# Altium PCB BMYY_PCB_RULER-Pink.PcbDoc (part 4 of 4)
Units mm, origin at the board's own origin, x right, y up, seen from the top; angles counter-clockwise.
Board outline 310.85 x 30 mm, 2 copper layers (Top, Bottom), stack 1.569 mm thick; 49 components, 0 nets, 2684 pads, 0 vias.
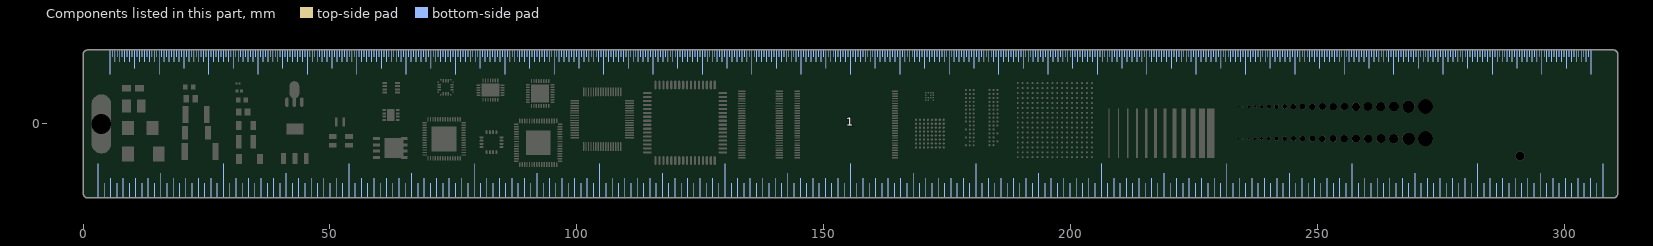
[diagram p4: the components of this part, seen from the top]

## Silkscreen, mask and mechanical layers (free items; w line width, h text height) (continued)
Solder Mask Bottom:
  drawing of 759 lines, arcs and shapes, not listed
  text "mm" at 309.742,10.212 h1.27
  text "300" at 5.142,10 h3
  text "290" at 15.142,10 h3
  text "280" at 25.142,10 h3
  text "270" at 35.142,10 h3
  text "260" at 45.142,10 h3
  text "250" at 55.142,10 h3
  text "240" at 65.142,10 h3
  text "230" at 75.142,10 h3
  text "220" at 85.142,10 h3
  text "210" at 95.142,10 h3
  text "200" at 105.142,10 h3
  text "190" at 115.142,10 h3
  text "180" at 125.142,10 h3
  text "170" at 135.142,10 h3
  text "160" at 145.142,10 h3
  text "150" at 155.142,10 h3
  text "140" at 165.142,10 h3
  text "130" at 175.142,10 h3
  text "120" at 185.142,10 h3
  text "110" at 195.142,10 h3
  text "100" at 205.142,10 h3
  text "90" at 215.142,10 h3
  text "80" at 225.142,10 h3
  text "70" at 235.142,10 h3
  text "60" at 245.142,10 h3
  text "50" at 255.142,10 h3
  text "40" at 265.142,10 h3
  text "30" at 275.142,10 h3
  text "20" at 285.142,10 h3
  text "10" at 295.142,10 h3
  text "0" at 305.142,10 h3
  text "30 ℃" at 136.099,5.566 h1.6
  text "20 ℃" at 145.95,5.566 h1.6
  text "10 ℃" at 156.193,5.566 h1.6
  text "Temp Rise" at 167.7,5.566 h1.6
  text "30 ℃" at 179.549,5.566 h1.6
  text "20 ℃" at 189.4,5.566 h1.6
  text "10 ℃" at 199.643,5.566 h1.6
  text "Temp Rise" at 211.15,5.566 h1.6
  text "Uint Conversion" at 227.349,5.566 h1.6
  text "0.2" at 233.67,5.4 h1.14 r270
  text "0.3" at 234.631,5.4 h1.14 r270
  text "0.5" at 235.742,5.4 h1.14 r270
  text "0.6" at 237.003,5.4 h1.14 r270
  text "0.7" at 238.365,5.4 h1.14 r270
  text "0.8" at 239.826,5.4 h1.14 r270
  text "0.9" at 241.387,5.4 h1.14 r270
  text "1.0" at 243.048,5.4 h1.14 r270
  text "1.1" at 244.809,5.4 h1.14 r270
  text "1.2" at 246.671,5.4 h1.14 r270
  text "1.3" at 248.632,5.4 h1.14 r270
  text "1.4" at 250.693,5.4 h1.14 r270
  text "1.5" at 252.854,5.4 h1.14 r270
  text "1.6" at 255.115,5.4 h1.14 r270
  text "1.7" at 257.477,5.4 h1.14 r270
  text "1.8" at 259.938,5.4 h1.14 r270
  text "1.9" at 262.499,5.4 h1.14 r270
  text "2.0" at 265.16,5.399 h1.14 r270
  text "2.5" at 268.121,5.399 h1.14 r270
  text "3.0" at 271.583,5.4 h1.14 r270
  text "mm" at 273.824,5.401 h1.52 r270
  text "80" at 289.607,4.845 h1.14 r10
  text "90" at 291.697,4.814 h1.63
  text "100" at 293.765,4.591 h1.14 r350
  text "70" at 287.658,4.431 h1.14 r20
  text "110" at 295.703,3.915 h1.14 r340
  text "60" at 285.811,3.684 h1.14 r30
  text "Copper" at 166.9,3.537 h1.6
  text "Copper" at 210.35,3.537 h1.6
  text "1mm = 39.4mil" at 227.31,3.479 h1.6
  text "2oz" at 132.655,3.391 h1.6
  text "1oz" at 135.864,3.391 h1.6
  text "0.5oz" at 139.872,3.391 h1.6
  text "2oz" at 142.652,3.391 h1.6
  text "1oz" at 145.861,3.391 h1.6
  text "0.5oz" at 149.869,3.391 h1.6
  text "2oz" at 152.649,3.391 h1.6
  text "1oz" at 155.857,3.391 h1.6
  text "0.5oz" at 159.866,3.391 h1.6
  text "2oz" at 176.105,3.391 h1.6
  text "1oz" at 179.314,3.391 h1.6
  text "0.5oz" at 183.322,3.391 h1.6
  text "2oz" at 186.102,3.391 h1.6
  text "1oz" at 189.311,3.391 h1.6
  text "0.5oz" at 193.319,3.391 h1.6
  text "2oz" at 196.099,3.391 h1.6
  text "1oz" at 199.307,3.391 h1.6
  text "0.5oz" at 203.316,3.391 h1.6
  text "120" at 297.392,2.976 h1.14 r330
  text "50" at 284.121,2.628 h1.14 r40
  text "mm" at 162.95,1.9 h1.6
  text "mil" at 167.05,1.9 h1.6
  text "mm" at 206.4,1.9 h1.6
  text "mil" at 210.5,1.9 h1.6
  text "1inch = 1000mil" at 227.31,1.907 h1.6
  text "Maximum Current Amps" at 152.589,1.875 h1.6
  text "Maximum Current Amps" at 196.039,1.875 h1.6
  text "130" at 298.94,1.722 h1.14 r320
  text "40" at 282.641,1.295 h1.14 r50
  text "7.3" at 132.473,0.318 h1.6
  text "2.6" at 139.048,0.318 h1.6
  text "6.0" at 142.473,0.318 h1.6
  text "3.6" at 145.7,0.318 h1.6
  text "2.0" at 149.048,0.318 h1.6
  text "4.0" at 152.47,0.318 h1.6
  text "2.6" at 155.698,0.318 h1.6
  text "1.5" at 159.046,0.318 h1.6
  text "50" at 166.59,0.318 h1.6
  text "1.5" at 179.15,0.318 h1.6
  text "0.7" at 182.496,0.318 h1.6
  text "1.6" at 185.923,0.318 h1.6
  text "0.6" at 192.496,0.318 h1.6
  text "1.0" at 199.146,0.318 h1.6
  text "0.5" at 202.496,0.318 h1.6
  text "0.254" at 207.3,0.318 h1.6
  text "10" at 210.09,0.318 h1.6
  text "1inch = 25.4mm" at 227.31,0.334 h1.6
  text "4.4" at 135.7,0.3 h1.6
  text "1.27" at 163.393,0.3 h1.6
  text "2.2" at 175.925,0.3 h1.6
  text "1.2" at 189.15,0.3 h1.6
  text "1.4" at 195.92,0.3 h1.6
  text "140" at 300.247,0.218 h1.14 r310
  text "30" at 281.414,-0.275 h1.14 r60
  text "8" at 233.625,-0.9 h1.14 r270
  text "12" at 234.574,-0.9 h1.14 r270
  text "16" at 235.698,-0.9 h1.14 r270
  text "20" at 236.959,-0.901 h1.14 r270
  text "24" at 238.307,-0.901 h1.14 r270
  text "28" at 239.781,-0.901 h1.14 r270
  text "32" at 241.343,-0.9 h1.14 r270
  text "36" at 243.004,-0.9 h1.14 r270
  text "40" at 244.765,-0.9 h1.14 r270
  text "44" at 246.613,-0.9 h1.14 r270
  text "48" at 248.587,-0.9 h1.14 r270
  text "52" at 250.649,-0.9 h1.14 r270
  text "56" at 252.81,-0.9 h1.14 r270
  text "60" at 255.071,-0.9 h1.14 r270
  text "64" at 257.432,-0.9 h1.14 r270
  text "68" at 259.893,-0.9 h1.14 r270
  text "72" at 262.442,-0.9 h1.14 r270
  text "76" at 265.116,-0.9 h1.14 r270
  text "80" at 268.077,-0.9 h1.14 r270
  text "84" at 271.538,-0.9 h1.14 r270
  text "mil" at 273.824,-0.899 h1.52 r270
  text "1mil = 0.0254mm" at 227.31,-1.238 h1.6
  text "10.0" at 132.981,-1.245 h1.6
  text "6.0" at 135.7,-1.245 h1.6
  text "3.5" at 139.046,-1.245 h1.6
  text "7.8" at 142.473,-1.245 h1.6
  text "4.5" at 145.7,-1.245 h1.6
  text "2.8" at 149.048,-1.245 h1.6
  text "5.7" at 152.47,-1.245 h1.6
  text "3.5" at 155.696,-1.245 h1.6
  text "2.0" at 159.048,-1.245 h1.6
  text "1.905" at 163.85,-1.245 h1.6
  text "75" at 166.59,-1.245 h1.6
  text "3.0" at 175.923,-1.245 h1.6
  text "1.6" at 179.15,-1.245 h1.6
  text "1.0" at 182.496,-1.245 h1.6
  text "2.4" at 185.925,-1.262 h1.6
  text "1.3" at 189.15,-1.245 h1.6
  text "0.8" at 192.496,-1.245 h1.6
  text "1.6" at 195.92,-1.245 h1.6
  text "1.2" at 199.146,-1.262 h1.6
  text "0.6" at 202.496,-1.245 h1.6
  text "0.381" at 207.3,-1.245 h1.6
  text "15" at 210.09,-1.245 h1.6
  text "150" at 301.273,-1.489 h1.14 r300
  text "20" at 280.402,-2.218 h1.14 r70
  text "12.5" at 132.981,-2.807 h1.6
  text "7.5" at 135.7,-2.807 h1.6
  text "4.3" at 139.046,-2.807 h1.6
  text "9.9" at 142.473,-2.807 h1.6
  text "6.0" at 145.7,-2.807 h1.6
  text "3.5" at 149.046,-2.807 h1.6
  text "6.9" at 152.47,-2.807 h1.6
  text "2.6" at 159.048,-2.807 h1.6
  text "2.54" at 163.394,-2.807 h1.6
  text "100" at 166.971,-2.807 h1.6
  text "3.6" at 175.923,-2.807 h1.6
  text "3.0" at 185.923,-2.807 h1.6
  text "1.0" at 192.496,-2.807 h1.6
  text "1.3" at 199.146,-2.807 h1.6
  text "0.7" at 202.496,-2.807 h1.6
  text "0.508" at 207.3,-2.807 h1.6
  text "20" at 210.092,-2.807 h1.6
  text "1oz = 0.0356mm" at 227.31,-2.81 h1.6
  text "4.2" at 155.696,-2.825 h1.6
  text "2.4" at 179.151,-2.825 h1.6
  text "1.2" at 182.496,-2.825 h1.6
  text "1.7" at 189.15,-2.825 h1.6
  text "2.1" at 195.922,-2.825 h1.6
  text "160" at 301.987,-3.349 h1.14 r290
  text "width" at 167.966,-3.8 h1.6 r270
  text "width" at 211.416,-3.8 h1.6 r270
  text "10" at 279.82,-4.124 h1.14 r80
  text "20.5" at 132.983,-4.37 h1.6
  text "13.0" at 136.03,-4.37 h1.6
  text "7.5" at 139.046,-4.37 h1.6
  text "11.0" at 142.956,-4.37 h1.6
  text "10.0" at 145.979,-4.37 h1.6
  text "6.0" at 149.046,-4.37 h1.6
  text "11.5" at 152.902,-4.37 h1.6
  text "7.0" at 155.696,-4.37 h1.6
  text "4.2" at 159.046,-4.387 h1.6
  text "5.08" at 163.393,-4.37 h1.6
  text "200" at 166.972,-4.37 h1.6
  text "4.0" at 175.923,-4.37 h1.6
  text "2.8" at 179.151,-4.37 h1.6
  text "1.5" at 182.496,-4.37 h1.6
  text "3.3" at 185.923,-4.37 h1.6
  text "2.2" at 189.151,-4.387 h1.6
  text "1.2" at 192.496,-4.387 h1.6
  text "2.5" at 195.922,-4.37 h1.6
  text "1.7" at 199.146,-4.387 h1.6
  text "0.9" at 202.496,-4.37 h1.6
  text "0.635" at 207.3,-4.37 h1.6
  text "25" at 210.092,-4.37 h1.6
  text "2oz = 0.0712mm" at 227.312,-4.383 h1.6
  text "UP主：北冥有鱼qzs" at 51.396,-5.186 h4.17
  text "2021.09.23" at 20,-5.291 h2.65
  text "170" at 302.367,-5.305 h1.14 r280
  text "B" at 68.074,-5.544 h15
  text "24.5" at 132.983,-5.932 h1.6
  text "15.0" at 136.03,-5.932 h1.6
  text "9.0" at 139.046,-5.932 h1.6
  text "20.0" at 142.958,-5.932 h1.6
  text "12.3" at 145.979,-5.932 h1.6
  text "12.3" at 152.902,-5.932 h1.6
  text "8.3" at 155.696,-5.932 h1.6
  text "5.0" at 159.046,-5.932 h1.6
  text "6.35" at 163.393,-5.932 h1.6
  text "250" at 166.972,-5.932 h1.6
  text "5.0" at 175.923,-5.932 h1.6
  text "3.2" at 179.15,-5.932 h1.6
  text "4.0" at 185.923,-5.932 h1.6
  text "2.5" at 189.151,-5.932 h1.6
  text "3.0" at 195.92,-5.932 h1.6
  text "1.9" at 199.146,-5.932 h1.6
  text "0.762" at 207.3,-5.932 h1.6
  text "30" at 210.09,-5.932 h1.6
  text "7.2" at 149.046,-5.95 h1.6
  text "1.7" at 182.496,-5.95 h1.6
  text "1.4" at 192.496,-5.95 h1.6
  text "1.1" at 202.496,-5.95 h1.6
  text "F = 9 x C ÷ 5 + 32" at 227.31,-5.967 h1.6
  text "0" at 279.6,-6.261 h1.14 r90
  text "180" at 302.4,-7.2 h1.14 r270
  text "0" at 3.342,-8.05 h3 r180
  text "1" at 28.742,-8.05 h3 r180
  text "2" at 54.142,-8.05 h3 r180
  text "3" at 79.542,-8.05 h3 r180
  text "4" at 104.942,-8.05 h3 r180
  text "5" at 130.342,-8.05 h3 r180
  text "6" at 155.742,-8.05 h3 r180
  text "7" at 181.092,-8.05 h3 r180
  text "8" at 206.492,-8.05 h3 r180
  text "9" at 231.892,-8.05 h3 r180
  text "10" at 257.292,-8.05 h3 r180
  text "11" at 282.692,-8.05 h3 r180
  text "12" at 308.092,-8.05 h3 r180
  text "Inch" at 6.942,-8.145 h1.27 r180
Mechanical 1:
  lines w0.01: 280,-6.5 cw(c291,-6.5) 302,-6.5 300,-6.5 ccw(c291,-6.5) 282,-6.5 280,-6.5 ; 286,-6.5 cw(c291,-6.5) 296,-6.5 294,-6.5 ccw(c291,-6.5) 288,-6.5 286,-6.5
  lines w0.1: 1,-15 309.85,-15 ccw(c309.85,-14) 310.85,-14 310.85,14 ccw(c309.85,14) 309.85,15 1,15 ccw(c1,14) 0,14 0,-14 ccw(c1,-14) 1,-15

## Text inside footprints (layer, text, board x,y; h text height)
Designator28: Bottom "+" at 85.695,-6.435 h2; Bottom "-" at 85.495,-4.417 h2; Bottom "BUFFER" at 87.145,-1.048 h0.76; Solder Mask Bottom "+" at 85.695,-6.435 h2; Solder Mask Bottom "-" at 85.495,-4.417 h2; Solder Mask Bottom "BUFFER" at 87.145,-1.048 h0.76
Designator29: Bottom "+" at 96.696,-6.419 h1.63; Bottom "-" at 96.496,-4.348 h1.63; Bottom "R2" at 95.748,-3.148 h0.76; Bottom "R1" at 100.348,-3.148 h0.76; Bottom "GAIN=-(R2/R1)" at 108.348,-5.348 h0.76; Bottom "INVERTING" at 108.348,-3.148 h0.76; Solder Mask Bottom "+" at 96.696,-6.419 h1.63; Solder Mask Bottom "-" at 96.496,-4.348 h1.63; Solder Mask Bottom "R2" at 95.748,-3.148 h0.76; Solder Mask Bottom "R1" at 100.348,-3.148 h0.76; Solder Mask Bottom "GAIN=-(R2/R1)" at 108.348,-5.348 h0.76; Solder Mask Bottom "INVERTING" at 108.348,-3.148 h0.76
Designator30: Bottom "GAIN=1+(R2/R1)" at 108.348,4.352 h0.76; Bottom "R2" at 95.848,2.952 h0.76; Bottom "R1" at 99.948,2.752 h0.76; Bottom "NON-INVERTING" at 108.348,6.552 h0.76; Bottom "-" at 96.498,5.602 h1.63; Bottom "+" at 96.698,7.531 h1.63; Solder Mask Bottom "+" at 96.698,7.531 h1.63; Solder Mask Bottom "-" at 96.498,5.602 h1.63; Solder Mask Bottom "R2" at 95.848,2.952 h0.76; Solder Mask Bottom "R1" at 99.948,2.752 h0.76; Solder Mask Bottom "GAIN=1+(R2/R1)" at 108.348,4.352 h0.76; Solder Mask Bottom "NON-INVERTING" at 108.348,6.552 h0.76
Designator62: Top "+" at 53.821,0.357 h1; Top "-" at 49.621,0.423 h1; Solder Mask Top "+" at 53.821,0.357 h1; Solder Mask Top "-" at 49.621,0.423 h1
Designator64: Top "1.2mm" at 229.052,3.819 h2 r90; Top "1.2mm" at 229.052,3.819 h2 r90; Top "1.1mm" at 227.24,3.819 h2 r90; Top "1.1mm" at 227.24,3.819 h2 r90; Top "1.0mm" at 225.406,3.819 h2 r90; Top "1.0mm" at 225.406,3.819 h2 r90; Top "0.9mm" at 223.519,3.819 h2 r90; Top "0.9mm" at 223.519,3.819 h2 r90; Top "0.8mm" at 221.632,3.819 h2 r90; Top "0.8mm" at 221.632,3.819 h2 r90; Top "0.7mm" at 219.745,3.819 h2 r90; Top "0.7mm" at 219.745,3.819 h2 r90; Top "0.6mm" at 217.858,3.819 h2 r90; Top "0.6mm" at 217.858,3.819 h2 r90; Top "0.5mm" at 215.971,3.819 h2 r90; Top "0.5mm" at 215.971,3.819 h2 r90; Top "0.4mm" at 214.085,3.819 h2 r90; Top "0.4mm" at 214.085,3.819 h2 r90; Top "0.3mm" at 212.198,3.819 h2 r90; Top "0.3mm" at 212.198,3.819 h2 r90; Top "0.2mm" at 210.311,3.819 h2 r90; Top "0.2mm" at 210.311,3.819 h2 r90; Top "0.1mm" at 208.424,3.819 h2 r90; Top "0.1mm" at 208.424,3.819 h2 r90; Solder Mask Top "1.2mm" at 229.052,3.819 h2 r90; Solder Mask Top "1.1mm" at 227.24,3.819 h2 r90; Solder Mask Top "1.0mm" at 225.406,3.819 h2 r90; Solder Mask Top "0.9mm" at 223.519,3.819 h2 r90; Solder Mask Top "0.8mm" at 221.632,3.819 h2 r90; Solder Mask Top "0.7mm" at 219.745,3.819 h2 r90; Solder Mask Top "0.6mm" at 217.858,3.819 h2 r90; Solder Mask Top "0.5mm" at 215.971,3.819 h2 r90; Solder Mask Top "0.4mm" at 214.085,3.819 h2 r90; Solder Mask Top "0.3mm" at 212.198,3.819 h2 r90; Solder Mask Top "0.2mm" at 210.311,3.819 h2 r90; Solder Mask Top "0.1mm" at 208.424,3.819 h2 r90
Designator67: Bottom "-" at 75.7,4.4 h0.86; Bottom "+" at 87.5,4.3 h0.86; Bottom "Anode  Cathode" at 86.992,6 h0.86; Solder Mask Bottom "-" at 75.7,4.4 h0.86; Solder Mask Bottom "+" at 87.5,4.3 h0.86; Solder Mask Bottom "Anode  Cathode" at 86.992,6 h0.86
Designator69: Bottom "NPN" at 125.459,-6.7 h0.86; Bottom "B" at 125.459,-3.2 h0.86; Bottom "C" at 121.359,-1.4 h0.86; Bottom "E" at 121.359,-6.7 h0.86; Bottom "NPN" at 125.459,-6.7 h0.86; Bottom "B" at 125.459,-3.2 h0.86; Bottom "C" at 121.359,-1.4 h0.86; Bottom "E" at 121.359,-6.7 h0.86; Solder Mask Bottom "NPN" at 125.459,-6.7 h0.86; Solder Mask Bottom "B" at 125.459,-3.2 h0.86; Solder Mask Bottom "C" at 121.359,-1.4 h0.86; Solder Mask Bottom "E" at 121.359,-6.7 h0.86
Designator70: Bottom "P-CH" at 117.4,2.126 h0.86; Bottom "P-CH" at 117.4,2.126 h0.86; Bottom "+" at 113.9,8 h0.86; Bottom "S" at 112.4,8 h0.86; Bottom "G" at 117.4,5 h0.86; Bottom "+" at 113.9,8 h0.86; Bottom "S" at 112.4,8 h0.86; Bottom "G" at 117.4,5 h0.86; Solder Mask Bottom "P-CH" at 117.4,2.126 h0.86; Solder Mask Bottom "+" at 113.9,8 h0.86; Solder Mask Bottom "S" at 112.4,8 h0.86; Solder Mask Bottom "G" at 117.4,5 h0.86
Designator71: Bottom "S" at 121.1,2.127 h0.86; Bottom "N-CH" at 126.1,2.127 h0.86; Bottom "G" at 126.1,5 h0.86; Bottom "+" at 122.6,8 h0.86; Solder Mask Bottom "N-CH" at 126.1,2.127 h0.86; Solder Mask Bottom "S" at 121.1,2.127 h0.86; Solder Mask Bottom "G" at 126.1,5 h0.86; Solder Mask Bottom "+" at 122.6,8 h0.86
Designator72: Bottom "PNP" at 116.759,-6.8 h0.86; Bottom "PNP" at 116.759,-6.8 h0.86; Bottom "B" at 116.759,-3.3 h0.86; Bottom "E" at 112.659,-1.5 h0.86; Bottom "C" at 112.659,-6.8 h0.86; Bottom "B" at 116.759,-3.3 h0.86; Bottom "E" at 112.659,-1.5 h0.86; Bottom "C" at 112.659,-6.8 h0.86; Solder Mask Bottom "PNP" at 116.759,-6.8 h0.86; Solder Mask Bottom "B" at 116.759,-3.3 h0.86; Solder Mask Bottom "E" at 112.659,-1.5 h0.86; Solder Mask Bottom "C" at 112.659,-6.8 h0.86